# KiCad board poly_kb_molecule_16x5.kicad_pcb (continued)
## Routing (per net, layer and track width the routed paths; a pad name or vN(x,y) marks a point on that pad's centre or on a via; arc(x,y) is an arc through that point) (continued)
; 235.58,11.68 234.85,12.42 234.85,14.24 v1(234.8,14.29) ; 231.98,71.36 232.1,71.48 232.1,72.25 232.65,72.8 232.65,73.35 v2(232.7,73.4) ; 193.88,52.31 194,52.43 194,53.2 194.55,53.75 194.55,54.3 v2(194.6,54.35) ; 138.56,71.51 138.77,71.51 139.12,71.87 ; J1#10.1 196.28,14.72 ; 196.28,14.72 196.7,14.29 v1(196.7,14.29) ; 117.68,52.31 117.8,52.43 117.8,53.2 118.35,53.75 118.35,54.3 v2(118.4,54.35) ; J1#10.3 197.28,14.72 196.84,14.29 v1(196.7,14.29) ; 100.46,90.56 100.67,90.56 101.03,90.92 ; v1(6.2,71.44) 6.25,71.39 6.25,69.57 6.98,68.83 ; v1(44.3,71.44) 44.44,71.44 44.88,71.88 J1#5.3 ; J1#2.1 272.48,33.77 ; 272.48,33.77 272.12,33.41 271.91,33.41 ; 215.32,14.72 J1#21.1 ; v1(215.75,90.49) 215.8,90.44 215.8,88.62 216.53,87.88 ; 117.68,14.21 117.8,14.33 117.8,15.1 118.35,15.65 118.35,16.2 v2(118.4,16.25) ; 101.03,90.92 J1#76.1 ; 139.12,14.72 138.77,14.36 138.56,14.36 ; 139.12,14.72 J1#23.1 ; v2(175.55,35.3) 175.5,35.25 175.5,34.7 174.95,34.15 174.95,33.38 174.83,33.26 ; v1(196.7,71.44) 196.75,71.39 196.75,69.57 197.48,68.83 ; v1(196.7,71.44) 196.84,71.44 197.28,71.88 J1#14.3 ; v1(101.45,33.34) 101.59,33.34 102.03,33.77 J1#80.3 ; v1(101.45,33.34) 101.5,33.29 101.5,31.47 102.23,30.73 ; J1#12.1 5.77,52.82 ; 5.77,52.82 5.42,52.46 5.21,52.46 ; 270.08,14.21 270.2,14.33 270.2,15.1 270.75,15.65 270.75,16.2 v2(270.8,16.25) ; J1#28.1 139.12,71.87 ; v2(99.35,16.25) 99.3,16.2 99.3,15.65 98.75,15.1 98.75,14.33 98.63,14.21 ; J1#69.1 43.88,33.77 ; 43.88,33.77 43.52,33.41 43.31,33.41 ; v1(6.2,90.49) 6.34,90.49 6.77,90.92 J1.3 ; v2(4.1,35.3) 4.05,35.25 4.05,34.7 3.5,34.15 3.5,33.38 3.38,33.26 ; 197.48,11.68 196.75,12.42 196.75,14.24 v1(196.7,14.29) ; J1#33.3 102.03,71.88 101.59,71.44 v1(101.45,71.44) ; v2(213.65,92.45) 213.6,92.4 213.6,91.85 213.05,91.3 213.05,90.53 212.93,90.41 ; 193.88,33.26 194,33.38 194,34.15 194.55,34.7 194.55,35.25 v2(194.6,35.3) ; 270.08,71.36 270.2,71.48 270.2,72.25 270.75,72.8 270.75,73.35 v2(270.8,73.4) ; J1#60.1 234.38,33.77 ; 234.38,33.77 234.02,33.41 233.81,33.41 ; v2(42.2,54.35) 42.15,54.3 42.15,53.75 41.6,53.2 41.6,52.43 41.48,52.31 ; 79.58,90.41 79.7,90.53 79.7,91.3 80.25,91.85 80.25,92.4 v2(80.3,92.45) ; J1#73.3 235.38,14.72 234.94,14.29 v1(234.8,14.29) ; v2(289.85,54.35) 289.8,54.3 289.8,53.75 289.25,53.2 289.25,52.43 289.13,52.31 ; 212.93,33.26 213.05,33.38 213.05,34.15 213.6,34.7 213.6,35.25 v2(213.65,35.3) ; 22.43,52.31 22.55,52.43 22.55,53.2 23.1,53.75 23.1,54.3 v2(23.15,54.35) ; v1(177.65,52.39) 177.65,52.39 177.22,52.82 ; v2(61.25,35.3) 61.2,35.25 61.2,34.7 60.65,34.15 60.65,33.38 60.53,33.26 ; 24.82,90.92 J1#47.1 ; 60.53,52.31 60.65,52.43 60.65,53.2 61.2,53.75 61.2,54.3 v2(61.25,54.35) ; v2(232.7,92.45) 232.65,92.4 232.65,91.85 232.1,91.3 232.1,90.53 231.98,90.41 ; v1(158.6,33.34) 158.74,33.34 159.18,33.77 J1#16.3 ; 177.22,52.82 J1#67.1 ; v2(99.35,92.45) 99.3,92.4 99.3,91.85 98.75,91.3 98.75,90.53 98.63,90.41 ; v2(289.85,35.3) 289.8,35.25 289.8,34.7 289.25,34.15 289.25,33.38 289.13,33.26 ; 155.78,33.26 155.9,33.38 155.9,34.15 156.45,34.7 156.45,35.25 v2(156.5,35.3)
  Bottom w0.5: v1(86.7,50.9) 86.7,50.55 87.53,49.72 87.53,49.66 ; C3#36.2 79.23,54.94 79.23,55.12 ; 201.82,11.56 201.82,10.52 202.31,10.03 ; v1(10.5,89) 10.5,88.65 11.32,87.82 11.32,87.76 ; v2(289.85,73.4) 289.85,73.73 289.41,74.17 288.78,74.17 ; 288.78,36.07 289.41,36.07 289.85,35.63 v2(289.85,35.3) ; 288.78,36.07 288.78,35.89 C3#21.2 ; 288.78,36.07 287.53,36.07 287.02,36.58 ; 144.67,87.76 144.67,86.72 145.16,86.23 ; v2(54.4,92.45) 55.67,93.72 55.88,93.72 ; 269.73,93.22 270.36,93.22 270.8,92.78 v2(270.8,92.45) ; 269.73,93.22 269.73,93.04 C3#66.2 ; 269.73,93.22 268.48,93.22 267.97,93.72 ; v2(187.75,54.35) 189.03,55.62 189.23,55.62 ; 36.83,17.53 36.62,17.53 v2(35.35,16.25) ; 60.18,36.07 60.18,35.89 C3#64.2 ; 60.18,36.07 58.93,36.07 58.42,36.58 ; 60.18,36.07 60.81,36.07 61.25,35.63 v2(61.25,35.3) ; 144.68,87.76 144.68,87.82 143.85,88.65 v1(143.85,89) ; 136.38,55.12 135.13,55.12 134.62,55.62 ; 136.38,55.12 137.01,55.12 137.45,54.68 v2(137.45,54.35) ; 136.38,55.12 136.38,54.94 C3#7.2 ; 125.62,11.56 125.62,11.62 124.8,12.45 v1(124.8,12.8) ; 155.43,17.02 154.18,17.02 153.67,17.53 ; 155.43,17.02 156.06,17.02 156.5,16.58 v2(156.5,16.25) ; 155.43,17.02 155.43,16.84 C3#20.2 ; v2(175.55,54.35) 175.55,54.68 175.11,55.12 174.48,55.12 ; v2(35.35,73.4) 36.62,74.67 36.83,74.67 ; v2(156.5,54.35) 156.5,54.68 156.06,55.12 155.43,55.12 ; 278.02,87.76 278.02,87.82 277.2,88.65 v1(277.2,89) ; 288.78,17.02 288.78,16.84 C3#67.2 ; 288.78,17.02 289.41,17.02 289.85,16.58 v2(289.85,16.25) ; 288.78,17.02 287.53,17.02 287.02,17.53 ; v2(244.9,73.4) 246.18,74.67 246.38,74.67 ; C3#28.2 269.73,54.94 269.73,55.12 ; 79.23,55.12 79.86,55.12 80.3,54.68 v2(80.3,54.35) ; 79.23,55.12 77.98,55.12 77.47,55.62 ; v2(35.35,35.3) 36.62,36.58 36.83,36.58 ; v2(61.25,54.35) 61.25,54.68 60.81,55.12 60.18,55.12 ; 174.48,55.12 174.48,54.94 C3#79.2 ; 174.48,55.12 173.23,55.12 172.72,55.62 ; 269.73,36.07 268.48,36.07 267.97,36.58 ; 269.73,36.07 269.73,35.89 C3#40.2 ; 269.73,36.07 270.36,36.07 270.8,35.63 v2(270.8,35.3) ; 49.42,11.56 49.42,10.52 49.91,10.03 ; 107.06,48.13 106.57,48.62 106.57,49.66 ; 163.72,87.76 163.72,87.82 162.9,88.65 v1(162.9,89) ; 55.88,74.67 55.67,74.67 v2(54.4,73.4) ; 248.92,93.72 249.43,93.22 250.68,93.22 ; v2(206.8,92.45) 208.07,93.72 208.28,93.72 ; v1(258.15,69.95) 258.15,69.6 258.98,68.77 258.98,68.71 ; 20.32,17.53 20.83,17.02 22.08,17.02 ; 201.82,11.56 201.82,11.62 201,12.45 v1(201,12.8) ; 155.43,36.07 155.43,35.89 C3#56.2 ; 155.43,36.07 156.06,36.07 156.5,35.63 v2(156.5,35.3) ; 155.43,36.07 154.18,36.07 153.67,36.58 ; v2(175.55,16.25) 175.55,16.58 175.11,17.02 174.48,17.02 ; 250.68,74.17 251.31,74.17 251.75,73.73 v2(251.75,73.4) ; 250.68,74.17 250.68,73.99 C3#4.2 ; 250.68,74.17 249.43,74.17 248.92,74.67 ; v1(258.15,50.9) 258.15,50.55 258.98,49.72 258.98,49.66 ; 193.53,36.07 194.16,36.07 194.6,35.63 v2(194.6,35.3) ; 193.53,36.07 193.53,35.89 C3#68.2 ; 193.53,36.07 192.28,36.07 191.77,36.58 ; 163.72,30.61 163.72,29.57 164.21,29.08 ; 115.57,93.72 116.08,93.22 117.33,93.22 ; 231.63,55.12 232.26,55.12 232.7,54.68 v2(232.7,54.35) ; 231.63,55.12 230.38,55.12 229.87,55.62 ; 231.63,55.12 231.63,54.94 C3#15.2 ; v2(111.55,54.35) 112.82,55.62 113.03,55.62 ; C3#73.2 3.03,73.99 3.03,74.17 ; 201.82,68.71 201.82,67.67 202.31,67.18 ; 220.88,49.66 220.88,49.72 220.05,50.55 v1(220.05,50.9) ; 269.73,55.12 270.36,55.12 270.8,54.68 v2(270.8,54.35) ; 269.73,55.12 268.48,55.12 267.97,55.62 ; 227.33,93.72 227.12,93.72 v2(225.85,92.45) ; 269.73,74.17 270.36,74.17 270.8,73.73 v2(270.8,73.4) ; 269.73,74.17 269.73,73.99 C3#80.2 ; 269.73,74.17 268.48,74.17 267.97,74.67 ; 98.28,55.12 98.91,55.12 99.35,54.68 v2(99.35,54.35) ; 98.28,55.12 98.28,54.94 C3#52.2 ; 98.28,55.12 97.03,55.12 96.52,55.62 ; 3.03,17.02 3.03,16.84 C3#47.2 ; 3.03,17.02 1.78,17.02 1.27,17.53 ; 3.03,17.02 3.66,17.02 4.1,16.58 v2(4.1,16.25) ; 22.08,74.17 22.08,73.99 C3#61.2 ; 22.08,74.17 22.71,74.17 23.15,73.73 v2(23.15,73.4) ; 22.08,74.17 20.83,74.17 20.32,74.67 ; C3#19.2 117.33,35.89 117.33,36.07 ; v2(263.95,54.35) 265.23,55.62 265.43,55.62 ; 153.67,55.62 154.18,55.12 155.43,55.12 ; v2(99.35,92.45) 99.35,92.78 98.91,93.22 98.28,93.22 ; 87.52,87.76 87.52,86.72 88.01,86.23 ; 210.82,74.67 211.33,74.17 212.58,74.17 ; v2(130.6,54.35) 131.88,55.62 132.08,55.62 ; 98.28,74.17 98.28,73.99 C3#44.2 ; 98.28,74.17 98.91,74.17 99.35,73.73 v2(99.35,73.4) ; 98.28,74.17 97.03,74.17 96.52,74.67 ; 278.02,49.66 278.02,49.72 277.2,50.55 v1(277.2,50.9) ; 163.72,68.71 163.72,67.67 164.21,67.18 ; 30.37,87.76 30.37,86.72 30.86,86.23 ; C3#78.2 60.18,73.99 60.18,74.17 ; C3#59.2 79.23,35.89 79.23,36.07 ; v1(105.75,50.9) 105.75,50.55 106.57,49.72 106.57,49.66 ; 113.03,36.58 112.82,36.58 v2(111.55,35.3) ; 49.42,68.71 49.42,67.67 49.91,67.18 ; 125.62,87.76 125.62,86.72 126.11,86.23 ; 11.32,11.56 11.32,11.62 10.5,12.45 v1(10.5,12.8) ; 79.23,17.02 77.98,17.02 77.47,17.53 ; 79.23,17.02 79.86,17.02 80.3,16.58 v2(80.3,16.25) ; 79.23,17.02 79.23,16.84 C3#42.2 ; 287.02,93.72 287.53,93.22 288.78,93.22 ; 113.03,17.53 112.82,17.53 v2(111.55,16.25) ; 267.97,17.53 268.48,17.02 269.73,17.02 ; 174.48,74.17 174.48,73.99 C3#10.2 ; 174.48,74.17 175.11,74.17 175.55,73.73 v2(175.55,73.4) ; 174.48,74.17 173.23,74.17 172.72,74.67 ; 79.23,74.17 79.86,74.17 80.3,73.73 v2(80.3,73.4) ; 79.23,74.17 79.23,73.99 C3#57.2 ; 79.23,74.17 77.98,74.17 77.47,74.67 ; 68.96,67.18 68.47,67.67 68.47,68.71 ; 30.86,48.13 30.37,48.62 30.37,49.66 ; 17.78,36.58 17.57,36.58 v2(16.3,35.3) ; v1(10.5,50.9) 10.5,50.55 11.32,49.72 11.32,49.66 ; 239.92,68.71 239.92,67.67 240.41,67.18 ; v2(42.2,92.45) 42.2,92.78 41.76,93.22 41.13,93.22 ; v2(232.7,92.45) 232.7,92.78 232.26,93.22 231.63,93.22 ; v2(187.75,92.45) 189.03,93.72 189.23,93.72 ; 126.11,67.18 125.62,67.67 125.62,68.71 ; 11.32,11.56 11.32,10.52 11.81,10.03 ; v2(244.9,92.45) 246.18,93.72 246.38,93.72 ; 172.72,93.72 173.23,93.22 174.48,93.22 ; v2(130.6,73.4) 131.88,74.67 132.08,74.67 ; v1(29.55,12.8) 29.55,12.45 30.38,11.62 30.38,11.56 ; v2(263.95,92.45) 265.23,93.72 265.43,93.72 ; v1(201,69.95) 201,69.6 201.82,68.77 201.82,68.71 ; C3#6.2 250.68,35.89 250.68,36.07 ; 117.33,74.17 117.33,73.99 C3#45.2 ; 117.33,74.17 117.96,74.17 118.4,73.73 v2(118.4,73.4) ; 117.33,74.17 116.08,74.17 115.57,74.67 ; v2(130.6,16.25) 131.88,17.53 132.08,17.53 ; 39.37,17.53 39.88,17.02 41.13,17.02 ; v2(4.1,73.4) 4.1,73.73 3.66,74.17 3.03,74.17 ; v1(86.7,89) 86.7,88.65 87.53,87.82 87.53,87.76 ; 212.58,74.17 213.21,74.17 213.65,73.73 v2(213.65,73.4) ; 212.58,74.17 212.58,73.99 C3#43.2 ; 231.63,36.07 232.26,36.07 232.7,35.63 v2(232.7,35.3) ; 231.63,36.07 231.63,35.89 C3#13.2 ; 231.63,36.07 230.38,36.07 229.87,36.58 ; v1(67.65,89) 67.65,88.65 68.47,87.82 68.47,87.76 ; C3#24.2 250.68,93.04 250.68,93.22 ; 36.83,93.72 36.62,93.72 v2(35.35,92.45) ; v1(239.1,50.9) 239.1,50.55 239.93,49.72 239.93,49.66 ; C3#5.2 288.78,73.99 288.78,74.17 ; v1(105.75,31.85) 105.75,31.5 106.57,30.67 106.57,30.61 ; 11.81,48.13 11.32,48.62 11.32,49.66 ; v2(213.65,92.45) 213.65,92.78 213.21,93.22 212.58,93.22 ; v1(258.15,31.85) 258.15,31.5 258.98,30.67 258.98,30.61 ; v1(143.85,69.95) 143.85,69.6 144.68,68.77 144.68,68.71 ; 297.56,29.08 297.07,29.57 297.07,30.61 ; 210.82,17.53 211.33,17.02 212.58,17.02 ; 117.33,55.12 117.33,54.94 C3#55.2 ; 117.33,55.12 117.96,55.12 118.4,54.68 v2(118.4,54.35) ; 117.33,55.12 116.08,55.12 115.57,55.62 ; 278.02,87.76 278.02,86.72 278.51,86.23 ; 212.58,36.07 213.21,36.07 213.65,35.63 v2(213.65,35.3) ; 212.58,36.07 212.58,35.89 C3#25.2 ; 212.58,36.07 211.33,36.07 210.82,36.58 ; 3.03,74.17 1.78,74.17 1.27,74.67 ; 182.77,87.76 182.77,86.72 183.26,86.23 ; v2(187.75,73.4) 189.03,74.67 189.23,74.67 ; 278.02,30.61 278.02,29.57 278.51,29.08 ; v1(220.05,69.95) 220.05,69.6 220.88,68.77 220.88,68.71 ; 239.93,30.61 239.93,30.67 239.1,31.5 v1(239.1,31.85) ; 210.82,55.62 211.33,55.12 212.58,55.12 ; 278.02,30.61 278.02,30.67 277.2,31.5 v1(277.2,31.85) ; 136.38,93.22 136.38,93.04 C3#22.2 ; 136.38,93.22 135.13,93.22 134.62,93.72 ; 136.38,93.22 137.01,93.22 137.45,92.78 v2(137.45,92.45) ; 58.42,55.62 58.93,55.12 60.18,55.12 ; v1(296.25,69.95) 296.25,69.6 297.07,68.77 297.07,68.71 ; J5#4.1 150.93,36.58 v2(149.65,35.3) ; v2(225.85,54.35) 227.12,55.62 227.33,55.62 ; 11.32,30.61 11.32,30.67 10.5,31.5 v1(10.5,31.85) ; 259.46,29.08 258.97,29.57 258.97,30.61 ; 250.68,55.12 249.43,55.12 248.92,55.62 ; 250.68,55.12 250.68,54.94 C3#49.2 ; 250.68,55.12 251.31,55.12 251.75,54.68 v2(251.75,54.35) ; 201.82,49.66 201.82,49.72 201,50.55 v1(201,50.9) ; v2(225.85,35.3) 227.12,36.58 227.33,36.58 ; 164.21,48.13 163.72,48.62 163.72,49.66 ; 17.78,93.72 17.57,93.72 v2(16.3,92.45) ; 106.57,11.56 106.57,10.52 107.06,10.03 ; v1(86.7,31.85) 86.7,31.5 87.53,30.67 87.53,30.61 ; v2(206.8,54.35) 208.07,55.62 208.28,55.62 ; 3.03,55.12 1.78,55.12 1.27,55.62 ; 3.03,55.12 3.66,55.12 4.1,54.68 v2(4.1,54.35) ; 3.03,55.12 3.03,54.94 C3#60.2 ; 250.68,36.07 249.43,36.07 248.92,36.58 ; 250.68,36.07 251.31,36.07 251.75,35.63 v2(251.75,35.3) ; v1(143.85,12.8) 143.85,12.45 144.68,11.62 144.68,11.56 ; 288.78,74.17 287.53,74.17 287.02,74.67 ; v2(149.65,73.4) 150.93,74.67 J5#25.1 ; v1(239.1,69.95) 239.1,69.6 239.93,68.77 239.93,68.71 ; C3#46.2 22.08,54.94 22.08,55.12 ; 11.81,67.18 11.32,67.67 11.32,68.71 ; 231.63,17.02 230.38,17.02 229.87,17.53 ; 231.63,17.02 231.63,16.84 C3#9.2 ; 231.63,17.02 232.26,17.02 232.7,16.58 v2(232.7,16.25) ; 288.78,93.22 289.41,93.22 289.85,92.78 v2(289.85,92.45) ; 288.78,93.22 288.78,93.04 C3#77.2 ; C3#53.2 22.08,16.84 22.08,17.02 ; v2(42.2,35.3) 42.2,35.63 41.76,36.07 41.13,36.07 ; C3#71.2 22.08,93.04 22.08,93.22 ; 74.93,36.58 74.72,36.58 v2(73.45,35.3) ; 174.48,93.22 174.48,93.04 C3#34.2 ; 174.48,93.22 175.11,93.22 175.55,92.78 v2(175.55,92.45) ; v1(143.85,50.9) 143.85,50.55 144.68,49.72 144.68,49.66 ; 87.52,11.56 87.52,10.52 88.01,10.03 ; 107.06,86.23 106.57,86.72 106.57,87.76 ; 41.13,36.07 39.88,36.07 39.37,36.58 ; 41.13,36.07 41.13,35.89 C3#75.2 ; 3.03,93.22 3.66,93.22 4.1,92.78 v2(4.1,92.45) ; 3.03,93.22 3.03,93.04 C3.2 ; 3.03,93.22 1.78,93.22 1.27,93.72 ; 55.88,36.58 55.67,36.58 v2(54.4,35.3) ; 231.63,93.22 231.63,93.04 C3#3.2 ; 231.63,93.22 230.38,93.22 229.87,93.72 ; 164.21,10.03 163.72,10.52 163.72,11.56 ; 49.42,87.76 49.42,86.72 49.91,86.23 ; 132.08,93.72 131.88,93.72 v2(130.6,92.45) ; 303.53,36.58 303.32,36.58 v2(302.05,35.3) ; C3#62.2 3.03,35.89 3.03,36.07 ; C3#51.2 136.38,35.89 136.38,36.07 ; v2(194.6,54.35) 194.6,54.68 194.16,55.12 193.53,55.12 ; 170.18,55.62 169.97,55.62 v2(168.7,54.35) ; 41.13,17.02 41.13,16.84 C3#54.2 ; 41.13,17.02 41.76,17.02 42.2,16.58 v2(42.2,16.25) ; C3#39.2 269.73,16.84 269.73,17.02 ; 231.63,74.17 232.26,74.17 232.7,73.73 v2(232.7,73.4) ; 231.63,74.17 230.38,74.17 229.87,74.67 ; 231.63,74.17 231.63,73.99 C3#70.2 ; 278.02,11.56 278.02,10.52 278.51,10.03 ; v1(277.2,69.95) 277.2,69.6 278.02,68.77 278.02,68.71 ; v1(48.6,31.85) 48.6,31.5 49.42,30.67 49.42,30.61 ; 136.38,74.17 137.01,74.17 137.45,73.73 v2(137.45,73.4) ; 136.38,74.17 136.38,73.99 C3#31.2 ; 136.38,74.17 135.13,74.17 134.62,74.67 ; 98.28,17.02 98.28,16.84 C3#74.2 ; 98.28,17.02 97.03,17.02 96.52,17.53 ; 98.28,17.02 98.91,17.02 99.35,16.58 v2(99.35,16.25) ; 11.32,87.76 11.32,86.72 11.81,86.23 ; 258.97,87.76 258.97,86.72 259.46,86.23 ; v1(201,31.85) 201,31.5 201.82,30.67 201.82,30.61 ; 191.77,55.62 192.28,55.12 193.53,55.12 ; 258.97,68.71 258.97,67.67 259.46,67.18 ; 182.78,30.61 182.78,30.67 181.95,31.5 v1(181.95,31.85) ; 11.81,29.08 11.32,29.57 11.32,30.61 ; v2(283,92.45) 284.27,93.72 284.48,93.72 ; v1(162.9,12.8) 162.9,12.45 163.72,11.62 163.72,11.56 ; J5#34.1 150.93,93.72 v2(149.65,92.45) ; v1(67.65,50.9) 67.65,50.55 68.47,49.72 68.47,49.66 ; v2(137.45,35.3) 137.45,35.63 137.01,36.07 136.38,36.07 ; v2(99.35,35.3) 99.35,35.63 98.91,36.07 98.28,36.07 ; 227.33,74.67 227.12,74.67 v2(225.85,73.4) ; 193.53,93.22 192.28,93.22 191.77,93.72 ; 193.53,93.22 194.16,93.22 194.6,92.78 v2(194.6,92.45) ; 193.53,93.22 193.53,93.04 C3#38.2 ; 125.62,87.76 125.62,87.82 124.8,88.65 v1(124.8,89) ; v2(149.65,16.25) 150.93,17.53 J5#57.1 ; v1(67.65,69.95) 67.65,69.6 68.47,68.77 68.47,68.71 ; v2(213.65,54.35) 213.65,54.68 213.21,55.12 212.58,55.12 ; 79.23,93.22 77.98,93.22 77.47,93.72 ; 79.23,93.22 79.86,93.22 80.3,92.78 v2(80.3,92.45) ; 79.23,93.22 79.23,93.04 C3#35.2 ; 297.56,10.03 297.07,10.52 297.07,11.56 ; v2(251.75,92.45) 251.75,92.78 251.31,93.22 250.68,93.22 ; 96.52,93.72 97.03,93.22 98.28,93.22 ; 60.18,17.02 58.93,17.02 58.42,17.53 ; 60.18,17.02 60.81,17.02 61.25,16.58 v2(61.25,16.25) ; 60.18,17.02 60.18,16.84 C3#69.2 ; v1(29.55,89) 29.55,88.65 30.38,87.82 30.38,87.76 ; 60.18,93.22 60.81,93.22 61.25,92.78 v2(61.25,92.45) ; 60.18,93.22 58.93,93.22 58.42,93.72 ; 60.18,93.22 60.18,93.04 C3#12.2 ; v2(168.7,73.4) 169.97,74.67 170.18,74.67 ; v1(29.55,50.9) 29.55,50.55 30.38,49.72 30.38,49.66 ; 208.28,74.67 208.07,74.67 v2(206.8,73.4) ; 182.78,68.71 182.78,68.77 181.95,69.6 v1(181.95,69.95) ; v1(277.2,12.8) 277.2,12.45 278.02,11.62 278.02,11.56 ; 182.77,49.66 182.77,48.62 183.26,48.13 ; 269.73,17.02 270.36,17.02 270.8,16.58 v2(270.8,16.25) ; v2(118.4,92.45) 118.4,92.78 117.96,93.22 117.33,93.22 ; 297.07,68.71 297.07,67.67 297.56,67.18 ; 201.82,87.76 201.82,87.82 201,88.65 v1(201,89) ; 220.87,30.61 220.87,29.57 221.36,29.08 ; 79.23,36.07 77.98,36.07 77.47,36.58 ; 79.23,36.07 79.86,36.07 80.3,35.63 v2(80.3,35.3) ; v1(48.6,50.9) 48.6,50.55 49.42,49.72 49.42,49.66 ; v2(263.95,35.3) 265.23,36.58 265.43,36.58 ; 182.77,68.71 182.77,67.67 183.26,67.18 ; C3#72.2 41.13,54.94 41.13,55.12 ; 239.93,11.56 239.93,11.62 239.1,12.45 v1(239.1,12.8) ; 201.82,87.76 201.82,86.72 202.31,86.23 ; C3#11.2 155.43,73.99 155.43,74.17 ; 155.43,93.22 154.18,93.22 153.67,93.72 ; 155.43,93.22 155.43,93.04 C3#48.2 ; 155.43,93.22 156.06,93.22 156.5,92.78 v2(156.5,92.45) ; 297.07,30.61 297.07,30.67 296.25,31.5 v1(296.25,31.85) ; 297.07,87.76 297.07,86.72 297.56,86.23 ; 20.32,55.62 20.83,55.12 22.08,55.12 ; 240.41,29.08 239.92,29.57 239.92,30.61 ; 1.27,36.58 1.78,36.07 3.03,36.07 ; v1(10.5,69.95) 10.5,69.6 11.32,68.77 11.32,68.71 ; 107.06,67.18 106.57,67.67 106.57,68.71 ; 134.62,36.58 135.13,36.07 136.38,36.07 ; 98.28,93.22 98.28,93.04 C3#65.2 ; v2(23.15,16.25) 23.15,16.58 22.71,17.02 22.08,17.02 ; v2(92.5,73.4) 93.78,74.67 93.98,74.67 ; C3#63.2 117.33,16.84 117.33,17.02 ; v2(283,54.35) 284.27,55.62 284.48,55.62 ; 3.03,36.07 3.66,36.07 4.1,35.63 v2(4.1,35.3) ; 22.08,93.22 20.83,93.22 20.32,93.72 ; 22.08,93.22 22.71,93.22 23.15,92.78 v2(23.15,92.45) ; v1(86.7,69.95) 86.7,69.6 87.53,68.77 87.53,68.71 ; 39.37,55.62 39.88,55.12 41.13,55.12 ; 125.62,49.66 125.62,49.72 124.8,50.55 v1(124.8,50.9) ; 183.26,10.03 182.77,10.52 182.77,11.56 ; C3#26.2 288.78,54.94 288.78,55.12 ; 201.82,49.66 201.82,48.62 202.31,48.13 ; 136.38,17.02 135.13,17.02 134.62,17.53 ; 136.38,17.02 137.01,17.02 137.45,16.58 v2(137.45,16.25) ; 136.38,17.02 136.38,16.84 C3#33.2 ; J5#72.1 150.93,55.62 v2(149.65,54.35) ; C3#58.2 117.33,93.04 117.33,93.22 ; v2(283,35.3) 284.27,36.58 284.48,36.58 ; 193.53,74.17 194.16,74.17 194.6,73.73 v2(194.6,73.4) ; 193.53,74.17 193.53,73.99 C3#8.2 ; 193.53,74.17 192.28,74.17 191.77,74.67 ; 220.88,11.56 220.88,11.62 220.05,12.45 v1(220.05,12.8) ; 284.48,17.53 284.27,17.53 v2(283,16.25) ; 117.33,17.02 116.08,17.02 115.57,17.53 ; 117.33,17.02 117.96,17.02 118.4,16.58 v2(118.4,16.25) ; 41.13,93.22 41.13,93.04 C3#32.2 ; 41.13,93.22 39.88,93.22 39.37,93.72 ; 41.13,74.17 41.76,74.17 42.2,73.73 v2(42.2,73.4) ; 41.13,74.17 39.88,74.17 39.37,74.67 ; 41.13,74.17 41.13,73.99 C3#29.2 ; 144.67,68.71 144.67,67.67 145.16,67.18 ; 60.18,55.12 60.18,54.94 C3#2.2 ; v2(289.85,54.35) 289.85,54.68 289.41,55.12 288.78,55.12 ; 144.67,30.61 144.67,29.57 145.16,29.08 ; 303.53,17.53 303.32,17.53 v2(302.05,16.25) ; 212.58,93.22 211.33,93.22 210.82,93.72 ; 212.58,93.22 212.58,93.04 C3#14.2 ; 30.86,10.03 30.37,10.52 30.37,11.56 ; 303.53,93.72 303.32,93.72 v2(302.05,92.45) ; 284.48,74.67 284.27,74.67 v2(283,73.4) ; 22.08,55.12 22.71,55.12 23.15,54.68 v2(23.15,54.35) ; 193.53,55.12 193.53,54.94 C3#76.2 ; v1(124.8,31.85) 124.8,31.5 125.62,30.67 125.62,30.61 ; 259.46,48.13 258.97,48.62 258.97,49.66 ; 248.92,17.53 249.43,17.02 250.68,17.02 ; 220.87,68.71 220.87,67.67 221.36,67.18 ; 55.88,55.62 55.67,55.62 v2(54.4,54.35) ; 221.36,86.23 220.87,86.72 220.87,87.76 ; 193.53,17.02 192.28,17.02 191.77,17.53 ; 193.53,17.02 194.16,17.02 194.6,16.58 v2(194.6,16.25) ; 193.53,17.02 193.53,16.84 C3#30.2 ; 163.72,87.76 163.72,86.72 164.21,86.23 ; 163.72,30.61 163.72,30.67 162.9,31.5 v1(162.9,31.85) ; 288.78,55.12 287.53,55.12 287.02,55.62 ; 183.26,29.08 182.77,29.57 182.77,30.61 ; 297.56,48.13 297.07,48.62 297.07,49.66 ; v1(105.75,12.8) 105.75,12.45 106.57,11.62 106.57,11.56 ; 155.43,55.12 155.43,54.94 C3#37.2 ; 126.11,29.08 125.62,29.57 125.62,30.61 ; v2(251.75,16.25) 251.75,16.58 251.31,17.02 250.68,17.02 ; 278.02,68.71 278.02,67.67 278.51,67.18 ; 49.42,11.56 49.42,11.62 48.6,12.45 v1(48.6,12.8) ; 106.57,87.76 106.57,87.82 105.75,88.65 v1(105.75,89) ; 220.87,11.56 220.87,10.52 221.36,10.03 ; 74.93,74.67 74.72,74.67 v2(73.45,73.4) ; 60.18,74.17 60.81,74.17 61.25,73.73 v2(61.25,73.4) ; 60.18,74.17 58.93,74.17 58.42,74.67 ; C3#16.2 98.28,35.89 98.28,36.07 ; 87.52,68.71 87.52,67.67 88.01,67.18 ; v2(206.8,35.3) 208.07,36.58 208.28,36.58 ; v2(225.85,16.25) 227.12,17.53 227.33,17.53 ; 49.42,87.76 49.42,87.82 48.6,88.65 v1(48.6,89) ; 155.43,74.17 154.18,74.17 153.67,74.67 ; 155.43,74.17 156.06,74.17 156.5,73.73 v2(156.5,73.4) ; 30.86,29.08 30.37,29.57 30.37,30.61 ; 239.93,87.76 239.93,87.82 239.1,88.65 v1(239.1,89) ; 87.53,11.56 87.53,11.62 86.7,12.45 v1(86.7,12.8) ; 87.52,49.66 87.52,48.62 88.01,48.13 ; 87.52,30.61 87.52,29.57 88.01,29.08 ; 132.08,36.58 131.88,36.58 v2(130.6,35.3) ; v1(296.25,12.8) 296.25,12.45 297.07,11.62 297.07,11.56 ; 30.37,68.71 30.37,67.67 30.86,67.18 ; 117.33,36.07 117.96,36.07 118.4,35.63 v2(118.4,35.3) ; 117.33,36.07 116.08,36.07 115.57,36.58 ; v1(124.8,69.95) 124.8,69.6 125.62,68.77 125.62,68.71 ; 202.31,29.08 201.82,29.57 201.82,30.61 ; 68.96,86.23 68.47,86.72 68.47,87.76 ; 20.32,36.58 20.83,36.07 22.08,36.07 ; 174.48,36.07 173.23,36.07 172.72,36.58 ; 174.48,36.07 174.48,35.89 C3#23.2 ; 174.48,36.07 175.11,36.07 175.55,35.63 v2(175.55,35.3) ; v2(92.5,92.45) 93.78,93.72 93.98,93.72 ; 250.68,17.02 250.68,16.84 C3#27.2 ; 41.13,55.12 41.76,55.12 42.2,54.68 v2(42.2,54.35) ; v2(213.65,16.25) 213.65,16.58 213.21,17.02 212.58,17.02 ; v2(302.05,54.35) 303.32,55.62 303.53,55.62 ; v1(220.05,89) 220.05,88.65 220.88,87.82 220.88,87.76 ; 98.28,36.07 97.03,36.07 96.52,36.58 ; v1(181.95,50.9) 181.95,50.55 182.78,49.72 182.78,49.66 ; 258.98,11.56 258.98,11.62 258.15,12.45 v1(258.15,12.8) ; 144.68,30.61 144.68,30.67 143.85,31.5 v1(143.85,31.85) ; v2(244.9,16.25) 246.18,17.53 246.38,17.53 ; v1(29.55,31.85) 29.55,31.5 30.38,30.67 30.38,30.61 ; 246.38,55.62 246.18,55.62 v2(244.9,54.35) ; 182.78,87.76 182.78,87.82 181.95,88.65 v1(181.95,89) ; v2(16.3,54.35) 17.57,55.62 17.78,55.62 ; v1(181.95,12.8) 181.95,12.45 182.78,11.62 182.78,11.56 ; 303.53,74.67 303.32,74.67 v2(302.05,73.4) ; 208.28,17.53 208.07,17.53 v2(206.8,16.25) ; v1(48.6,69.95) 48.6,69.6 49.42,68.77 49.42,68.71 ; 240.41,10.03 239.92,10.52 239.92,11.56 ; 36.83,55.62 36.62,55.62 v2(35.35,54.35) ; v1(296.25,89) 296.25,88.65 297.07,87.82 297.07,87.76 ; 170.18,93.72 169.97,93.72 v2(168.7,92.45) ; 212.58,17.02 212.58,16.84 C3#41.2 ; 221.36,48.13 220.87,48.62 220.87,49.66 ; C3#17.2 174.48,16.84 174.48,17.02 ; v2(54.4,16.25) 55.67,17.53 55.88,17.53 ; 126.11,10.03 125.62,10.52 125.62,11.56 ; 68.96,29.08 68.47,29.57 68.47,30.61 ; 17.78,17.53 17.57,17.53 v2(16.3,16.25) ; 163.72,49.66 163.72,49.72 162.9,50.55 v1(162.9,50.9) ; 144.67,11.56 144.67,10.52 145.16,10.03 ; v2(187.75,16.25) 189.03,17.53 189.23,17.53 ; 49.42,49.66 49.42,48.62 49.91,48.13 ; 93.98,17.53 93.78,17.53 v2(92.5,16.25) ; v1(162.9,69.95) 162.9,69.6 163.72,68.77 163.72,68.71 ; 22.08,36.07 22.08,35.89 C3#50.2 ; 22.08,36.07 22.71,36.07 23.15,35.63 v2(23.15,35.3) ; 239.92,49.66 239.92,48.62 240.41,48.13 ; v2(168.7,16.25) 169.97,17.53 170.18,17.53 ; C3#18.2 212.58,54.94 212.58,55.12 ; 68.47,30.61 68.47,30.67 67.65,31.5 v1(67.65,31.85) ; 189.23,36.58 189.03,36.58 v2(187.75,35.3) ; 297.07,49.66 297.07,49.72 296.25,50.55 v1(296.25,50.9) ; 170.18,36.58 169.97,36.58 v2(168.7,35.3) ; 125.62,49.66 125.62,48.62 126.11,48.13 ; 93.98,36.58 93.78,36.58 v2(92.5,35.3) ; v2(73.45,54.35) 74.72,55.62 74.93,55.62 ; v2(92.5,54.35) 93.78,55.62 93.98,55.62 ; 74.93,17.53 74.72,17.53 v2(73.45,16.25) ; 265.43,17.53 265.23,17.53 v2(263.95,16.25) ; 49.42,30.61 49.42,29.57 49.91,29.08 ; 30.38,68.71 30.38,68.77 29.55,69.6 v1(29.55,69.95) ; v2(244.9,35.3) 246.18,36.58 246.38,36.58 ; 220.88,30.61 220.88,30.67 220.05,31.5 v1(220.05,31.85) ; v2(263.95,73.4) 265.23,74.67 265.43,74.67 ; v2(16.3,73.4) 17.57,74.67 17.78,74.67 ; 113.03,74.67 112.82,74.67 v2(111.55,73.4) ; 68.47,11.56 68.47,11.62 67.65,12.45 v1(67.65,12.8) ; 68.96,48.13 68.47,48.62 68.47,49.66 ; 113.03,93.72 112.82,93.72 v2(111.55,92.45) ; 174.48,17.02 173.23,17.02 172.72,17.53 ; 68.47,11.56 68.47,10.52 68.96,10.03 ; v1(105.75,69.95) 105.75,69.6 106.57,68.77 106.57,68.71 ; v1(258.15,89) 258.15,88.65 258.98,87.82 258.98,87.76 ; 107.06,29.08 106.57,29.57 106.57,30.61 ; v2(73.45,92.45) 74.72,93.72 74.93,93.72 ; 259.46,10.03 258.97,10.52 258.97,11.56 ; 145.16,48.13 144.67,48.62 144.67,49.66 ; 278.02,49.66 278.02,48.62 278.51,48.13 ; 240.41,86.23 239.92,86.72 239.92,87.76
  Bottom w1.5: J6#3.1 J5#69.1 ; J5#42.1 J6#14.1 ; J6#47.1 J5#37.1 ; J5#33.1 J6#71.1 ; J6#4.1 J5#51.1 ; J6#22.1 J5#47.1 ; J6#63.1 J5#71.1 ; J6#75.1 J5#38.1 ; J6#28.1 J5#10.1 ; J6#45.1 J5#36.1 ; J5#78.1 J6#49.1 ; J6#39.1 J5#49.1 ; J6#5.1 J5#60.1 ; J6#12.1 J5#80.1 ; J6#53.1 J5#12.1 ; J5#74.1 J6#18.1 ; J6#25.1 J5#48.1 ; J6#24.1 J5#63.1 ; J6#13.1 J5#44.1 ; J5#55.1 J6#58.1 ; J6#20.1 J5#8.1 ; J5#6.1 J6#57.1 ; J6#51.1 J5#50.1 ; J6#31.1 J5#22.1 ; J6#32.1 J5#19.1 ; J6#38.1 J5#45.1 ; J6#65.1 J5#32.1 ; J5#79.1 J6#37.1 ; J5#56.1 J6#44.1 ; J6#73.1 J5#30.1 ; J6#36.1 J5#17.1 ; J5#73.1 J6#40.1 ; J5#7.1 J6#43.1 ; J6#6.1 J5#3.1 ; J6#26.1 J5#46.1 ; J5#21.1 J6#59.1 ; J6#42.1 J5#64.1 ; J6.1 J5#65.1 ; J5#75.1 J6#41.1 ; J6#23.1 J5#29.1 ; J6#69.1 J5#13.1 ; J6#10.1 J5#66.1 ; J6#72.1 J5#62.1 ; J6#55.1 J5#11.1 ; J6#11.1 J5#26.1 ; J6#52.1 J5#58.1 ; J6#33.1 J5#18.1 ; J6#7.1 J5#35.1 ; J6#2.1 J5#24.1 ; J5#52.1 J6#60.1 ; J6#61.1 J5#14.1 ; J6#29.1 J5#41.1 ; J5#76.1 J6#68.1 ; J5#9.1 J6#56.1 ; J6#16.1 J5#2.1 ; J5#61.1 J6#35.1 ; J6#74.1 J5#77.1 ; J5#20.1 J6#54.1 ; J5#16.1 J6#67.1 ; J6#48.1 J5#31.1 ; J5#70.1 J6#17.1 ; J6#27.1 J5#23.1 ; J6#46.1 J5#39.1 ; J6#66.1 J5#28.1 ; J6#62.1 J5#68.1 ; J6#19.1 J5#43.1 ; J6#50.1 J5#54.1 ; J5#27.1 J6#70.1 ; J6#64.1 J5#15.1 ; J6#30.1 J5#59.1
  vias: v1(3.41,90.41) v1(3.41,71.36) v1(3.41,52.31) v1(3.41,33.26) v1(3.41,14.21) v1(3.81,76.2) v1(3.81,57.15) v1(3.81,38.1) v1(7,87.88) v1(7,68.83) v1(7,49.78) v1(7,30.73) v1(7,11.68) v1(7.11,83.31) v1(7.11,64.26) v1(7.11,45.21) v1(7.11,26.16) v1(7.11,7.11) v1(12.19,84.94) v1(12.19,65.89) v1(12.19,46.84) v1(12.19,27.79) v1(12.19,8.74) v1(13.25,94.55) v1(13.25,75.5) v1(13.25,56.45) v1(13.25,37.4) v1(13.25,18.35) v1(22.46,90.41) v1(22.46,71.36) v1(22.46,52.31) v1(22.46,33.26) v1(22.46,14.21) v1(22.86,76.2) v1(22.86,57.15) v1(22.86,38.1) v1(26.05,87.88) v1(26.05,68.83) v1(26.05,49.78) v1(26.05,30.73) v1(26.05,11.68) v1(26.16,83.31) v1(26.16,64.26) v1(26.16,45.21) v1(26.16,26.16) v1(26.16,7.11) v1(31.24,84.94) v1(31.24,65.89) v1(31.24,46.84) v1(31.24,27.79) v1(31.24,8.74) v1(32.3,94.55) v1(32.3,75.5) v1(32.3,56.45) v1(32.3,37.4) v1(32.3,18.35) v1(41.51,90.41) v1(41.51,71.36) v1(41.51,52.31) v1(41.51,33.26) v1(41.51,14.21) v1(41.91,76.2) v1(41.91,57.15) v1(41.91,38.1) v1(45.1,87.88) v1(45.1,68.83) v1(45.1,49.78) v1(45.1,30.73) v1(45.1,11.68) v1(45.21,83.31) v1(45.21,64.26) v1(45.21,45.21) v1(45.21,26.16) v1(45.21,7.11) v1(50.29,84.94) v1(50.29,65.89) v1(50.29,46.84) v1(50.29,27.79) v1(50.29,8.74) v1(51.35,94.55) v1(51.35,75.5) v1(51.35,56.45) v1(51.35,37.4) v1(51.35,18.35) v1(60.56,90.41) v1(60.56,71.36) v1(60.56,52.31) v1(60.56,33.26) v1(60.56,14.21) v1(60.96,76.2) v1(60.96,57.15) v1(60.96,38.1) v1(64.15,87.88) v1(64.15,68.83) v1(64.15,49.78) v1(64.15,30.73) v1(64.15,11.68) v1(64.26,83.31) v1(64.26,64.26) v1(64.26,45.21) v1(64.26,26.16) v1(64.26,7.11) v1(69.34,84.94) v1(69.34,65.89) v1(69.34,46.84) v1(69.34,27.79) v1(69.34,8.74) v1(70.4,94.55) v1(70.4,75.5) v1(70.4,56.45) v1(70.4,37.4) v1(70.4,18.35) v1(79.61,90.41) v1(79.61,71.36) v1(79.61,52.31) v1(79.61,33.26) v1(79.61,14.21) v1(80.01,76.2) v1(80.01,57.15) v1(80.01,38.1) v1(83.2,87.88) v1(83.2,68.83) v1(83.2,49.78) v1(83.2,30.73) v1(83.2,11.68) v1(83.31,83.31) v1(83.31,64.26) v1(83.31,45.21) v1(83.31,26.16) v1(83.31,7.11) v1(88.39,84.94) v1(88.39,65.89) v1(88.39,46.84) v1(88.39,27.79) v1(88.39,8.74) v1(89.45,94.55) v1(89.45,75.5) v1(89.45,56.45) v1(89.45,37.4) v1(89.45,18.35) v1(98.66,90.41) v1(98.66,71.36) v1(98.66,52.31) v1(98.66,33.26) v1(98.66,14.21) v1(99.06,76.2) v1(99.06,57.15) v1(99.06,38.1) v1(102.25,87.88) v1(102.25,68.83) v1(102.25,49.78) v1(102.25,30.73) v1(102.25,11.68) v1(102.36,83.31) v1(102.36,64.26) v1(102.36,45.21) v1(102.36,26.16) v1(102.36,7.11) v1(107.44,84.94) v1(107.44,65.89) v1(107.44,46.84) v1(107.44,27.79) v1(107.44,8.74) v1(108.5,94.55) v1(108.5,75.5) v1(108.5,56.45) v1(108.5,37.4) v1(108.5,18.35) v1(117.71,90.41) v1(117.71,71.36) v1(117.71,52.31) v1(117.71,33.26) v1(117.71,14.21) v1(118.11,76.2) v1(118.11,57.15) v1(118.11,38.1) v1(121.3,87.88) v1(121.3,68.83) v1(121.3,49.78) v1(121.3,30.73) v1(121.3,11.68) v1(121.41,83.31) v1(121.41,64.26) v1(121.41,45.21) v1(121.41,26.16) v1(121.41,7.11) v1(126.49,84.94) v1(126.49,65.89) v1(126.49,46.84) v1(126.49,27.79) v1(126.49,8.74) v1(127.55,94.55) v1(127.55,75.5) v1(127.55,56.45) v1(127.55,37.4) v1(127.55,18.35) v1(136.76,90.41) v1(136.76,71.36) v1(136.76,52.31) v1(136.76,33.26) v1(136.76,14.21) v1(137.16,76.2) v1(137.16,57.15) v1(137.16,38.1) v1(140.35,87.88) v1(140.35,68.83) v1(140.35,49.78) v1(140.35,30.73) v1(140.35,11.68) v1(140.46,83.31) v1(140.46,64.26) v1(140.46,45.21) v1(140.46,26.16) v1(140.46,7.11) v1(145.54,84.94) v1(145.54,65.89) v1(145.54,46.84) v1(145.54,27.79) v1(145.54,8.74) v1(146.6,94.55) v1(146.6,75.5) v1(146.6,56.45) v1(146.6,37.4) v1(146.6,18.35) v1(155.81,90.41) v1(155.81,71.36) v1(155.81,52.31) v1(155.81,33.26) v1(155.81,14.21) v1(156.21,76.2) v1(156.21,57.15) v1(156.21,38.1) v1(159.4,87.88) v1(159.4,68.83) v1(159.4,49.78) v1(159.4,30.73) v1(159.4,11.68) v1(159.51,83.31) v1(159.51,64.26) v1(159.51,45.21) v1(159.51,26.16) v1(159.51,7.11) v1(164.59,84.94) v1(164.59,65.89) v1(164.59,46.84) v1(164.59,27.79) v1(164.59,8.74) v1(165.65,94.55) v1(165.65,75.5) v1(165.65,56.45) v1(165.65,37.4) v1(165.65,18.35) v1(174.86,90.41) v1(174.86,71.36) v1(174.86,52.31) v1(174.86,33.26) v1(174.86,14.21) v1(175.26,76.2) v1(175.26,57.15) v1(175.26,38.1) v1(178.45,87.88) v1(178.45,68.83) v1(178.45,49.78) v1(178.45,30.73) v1(178.45,11.68) v1(178.56,83.31) v1(178.56,64.26) v1(178.56,45.21) v1(178.56,26.16) v1(178.56,7.11) v1(183.64,84.94) v1(183.64,65.89) v1(183.64,46.84) v1(183.64,27.79) v1(183.64,8.74) v1(184.7,94.55) v1(184.7,75.5) v1(184.7,56.45) v1(184.7,37.4) v1(184.7,18.35) v1(193.91,90.41) v1(193.91,71.36) v1(193.91,52.31) v1(193.91,33.26) v1(193.91,14.21) v1(194.31,76.2) v1(194.31,57.15) v1(194.31,38.1) v1(197.5,87.88) v1(197.5,68.83) v1(197.5,49.78) v1(197.5,30.73) v1(197.5,11.68) v1(197.61,83.31) v1(197.61,64.26) v1(197.61,45.21) v1(197.61,26.16) v1(197.61,7.11) v1(202.69,84.94) v1(202.69,65.89) v1(202.69,46.84) v1(202.69,27.79) v1(202.69,8.74) v1(203.75,94.55) v1(203.75,75.5) v1(203.75,56.45) v1(203.75,37.4) v1(203.75,18.35) v1(212.96,90.41) v1(212.96,71.36) v1(212.96,52.31) v1(212.96,33.26) v1(212.96,14.21) v1(213.36,76.2) v1(213.36,57.15) v1(213.36,38.1) v1(216.55,87.88) v1(216.55,68.83) v1(216.55,49.78) v1(216.55,30.73) v1(216.55,11.68) v1(216.66,83.31) v1(216.66,64.26) v1(216.66,45.21) v1(216.66,26.16) v1(216.66,7.11) v1(221.74,84.94) v1(221.74,65.89) v1(221.74,46.84) v1(221.74,27.79) v1(221.74,8.74) v1(222.8,94.55) v1(222.8,75.5) v1(222.8,56.45) v1(222.8,37.4) v1(222.8,18.35) v1(232.01,90.41) v1(232.01,71.36) v1(232.01,52.31) v1(232.01,33.26) v1(232.01,14.21) v1(232.41,76.2) v1(232.41,57.15) v1(232.41,38.1) v1(235.6,87.88) v1(235.6,68.83) v1(235.6,49.78) v1(235.6,30.73) v1(235.6,11.68) v1(235.71,83.31) v1(235.71,64.26) v1(235.71,45.21) v1(235.71,26.16) v1(235.71,7.11) v1(240.79,84.94) v1(240.79,65.89) v1(240.79,46.84) v1(240.79,27.79) v1(240.79,8.74) v1(241.85,94.55) v1(241.85,75.5) v1(241.85,56.45) v1(241.85,37.4) v1(241.85,18.35) v1(251.06,90.41) v1(251.06,71.36) v1(251.06,52.31) v1(251.06,33.26) v1(251.06,14.21) v1(251.46,76.2) v1(251.46,57.15) v1(251.46,38.1) v1(254.65,87.88) v1(254.65,68.83) v1(254.65,49.78) v1(254.65,30.73) v1(254.65,11.68) v1(254.76,83.31) v1(254.76,64.26) v1(254.76,45.21) v1(254.76,26.16) v1(254.76,7.11) v1(259.84,84.94) v1(259.84,65.89) v1(259.84,46.84) v1(259.84,27.79) v1(259.84,8.74) v1(260.9,94.55) v1(260.9,75.5) v1(260.9,56.45) v1(260.9,37.4) v1(260.9,18.35) v1(270.11,90.41) v1(270.11,71.36) v1(270.11,52.31) v1(270.11,33.26) v1(270.11,14.21) v1(270.51,76.2) v1(270.51,57.15) v1(270.51,38.1) v1(273.7,87.88) v1(273.7,68.83) v1(273.7,49.78) v1(273.7,30.73) v1(273.7,11.68) v1(273.81,83.31) v1(273.81,64.26) v1(273.81,45.21) v1(273.81,26.16) v1(273.81,7.11) v1(278.89,84.94) v1(278.89,65.89) v1(278.89,46.84) v1(278.89,27.79) v1(278.89,8.74) v1(279.95,94.55) v1(279.95,75.5) v1(279.95,56.45) v1(279.95,37.4) v1(279.95,18.35) v1(289.16,90.41) v1(289.16,71.36) v1(289.16,52.31) v1(289.16,33.26) v1(289.16,14.21) v1(289.56,76.2) v1(289.56,57.15) v1(289.56,38.1) v1(292.75,87.88) v1(292.75,68.83) v1(292.75,49.78) v1(292.75,30.73) v1(292.75,11.68) v1(292.86,83.31) v1(292.86,64.26) v1(292.86,45.21) v1(292.86,26.16) v1(292.86,7.11) v1(297.94,84.94) v1(297.94,65.89) v1(297.94,46.84) v1(297.94,27.79) v1(297.94,8.74) v1(299,94.55) v1(299,75.5) v1(299,56.45) v1(299,37.4) v1(299,18.35)
